# Altium PCB MB V2.PcbDoc (part 2 of 2)
Units mm, origin at the board's own origin, x right, y up, seen from the top; angles counter-clockwise.
Board outline 200.15 x 200.03 mm, 4 copper layers (Top Layer, Mid Top, Mid Bottom, Bottom Layer), stack 0.603 mm thick; 239 components, 224 nets, 929 pads, 0 vias.
Unrouted connection lines stored in the file: 612.
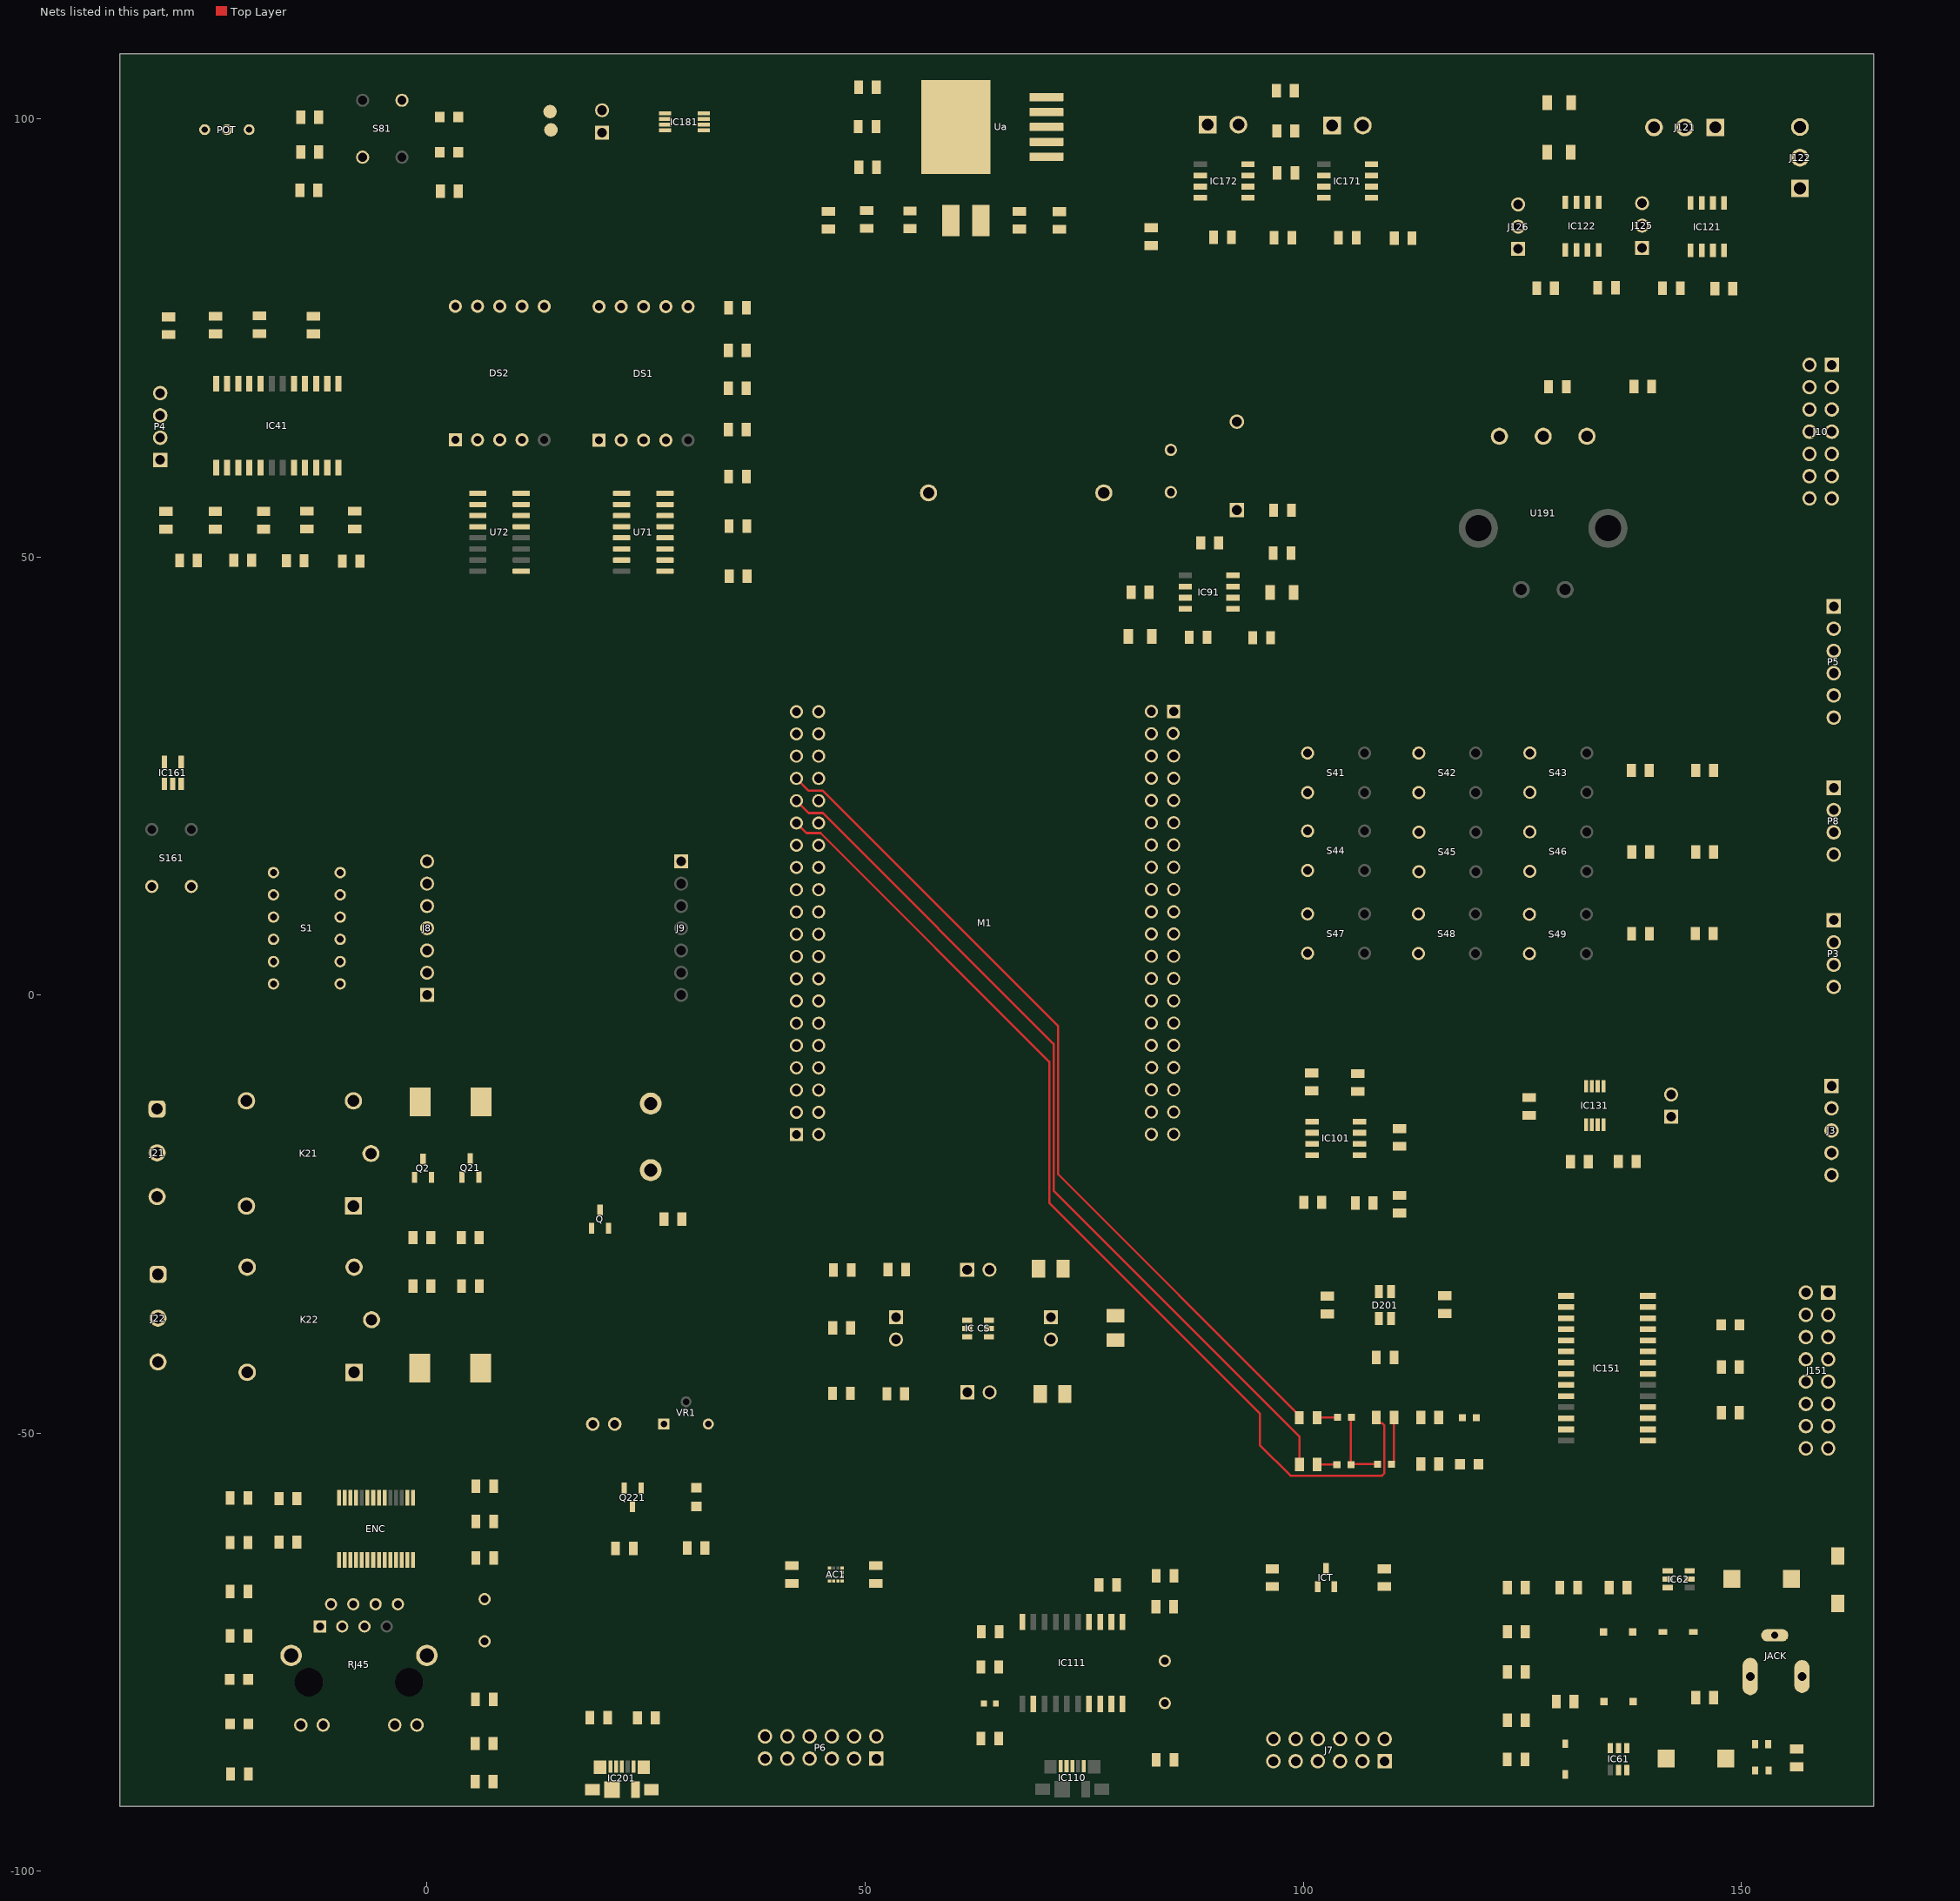
[diagram p2: the nets of this part, all layers, seen from the top]

## Part data
25MHz 32KHz Y111: library part "Mini Crystal", "9B-64.000MBBK-B", Freq. Stability="+/- 30 ppm", Frequency="4.096 MHz", Load Capacitance="18 pF", Manufacturer=Abracon, Operating Temp. Range="-40 to 85 degC", PartNumber=ABLS2-4.096MHZ-D4Y-T, Shunt Capacitance="7 pF Max.", ComponentLink1Description="Manufacturer URL", ComponentLink1URL=http://www.abracon.com/, ComponentLink2Description=Datasheet, ComponentLink2URL=http://www.abracon.com/Resonators/ABLS2.pdf, DatasheetVersion="Rev. 03.31.11", ESR="180 Ohm", Freq. Tolerance="+/- 30 ppm", Mounting Technology="Surface Mount", Operation Mode="Fundamental or 3rd Overtone", PackageDescription="2-Pin SMD, Body 11.4 x 4.7 mm, Height 3.3 mm", PackageReference=ABLS2-2, Packing="Tape and Reel", RoHS=TRUE
AC1: "Accelerometer", Manufacturer_Name=STMicroelectronics, Mouser Part Number=511-LIS2DE12TR, Arrow Part Number=LIS2DE12TR, Arrow Price/Stock=https://www.arrow.com/en/products/lis2de12tr/stmicroelectronics, Datasheet Link=https://www.mouser.co.uk/datasheet/2/389/dm00153214-1798409.pdf, Height=1mm, Manufacturer_Part_Number=LIS2DE12TR, Mouser Price/Stock=https://www.mouser.co.uk/ProductDetail/STMicroelectronics/LIS2DE12TR?qs=e%2Fel81Nv5iw4m6D8fXXMWA%3D%3D
B: library part Buzzer, "Buzzer 2.3khz 4-6vdc Pcb Wash", Package="Soberton Inc.", Availability=Unavailable, MF="Soberton Inc.", MP=WST-1205S, Price=None, SnapEDA_Link=https://www.snapeda.com/parts/WST-1205S/Soberton%20Inc./view-part/?ref=snap
BT1: "WA-BCPH Battery Holder, THT, battery type 2450", Manufacturer="Wurth Elektronik", Operating Temperature Max=105°C, Operating Temperature Min=-40°C, Battery Type=2450, Category="Battery Holders", ComponentLink1Description="Website Link", ComponentLink1URL=https://www.we-online.com/redexpert/article/79578211?ad, ComponentLink2Description="Datasheet Link", ComponentLink2URL=https://www.we-online.com/redexpert/spec/79578211?ad, Manufacturer Part Number=79578211, Match Code=WA-BCPH, Mount="Through Hole", Packaging=Bag
C41 C42 C43 C44 C45 C46 C47 C61 C62 C63 C64 C65 C66 C67 C68 C91 C92 C111 C112 C113 C114 C115 C116 C131 C132 C133 C141 C142 C143 C144 C145 C171 C172 C173 C174 C211 C212 C221 C222 C223 CA CA1 CA2 CA3 CA4 CA5 Ct Ct1: library part GCD21BR71H104KA01L, "CAP CER 0.1UF 50V X7R 0805", Digi-Key Part Number=490-11955-1-ND, Manufacturer="Murata Electronics North America", Operating Temperature="-55°C ~ 125°C", Package / Case="0805 (2012 Metric)", Ratings=AEC-Q200, Temperature Coefficient=X7R, Tolerance=±10%, Voltage=50V, @ qty=0, Applications=Automotive, Datasheets=http://www.murata.com/~/media/webrenewal/support/library/catalog/products/capacitor/mlcc/c03e.ashx, Factory Stock=0, Features=-, Height - Seated (Max)=-, Image=//media.digikey.com/Renders/Murata%20Renders/0805%28GxM6%29.jpg, Lead Spacing=-, Lead Style=-, Minimum Quantity=1, Mounting Type="Surface Mount, MLCC", Packaging="Cut Tape (CT)", Part Number=GCD21BR71H104KA01L, Part Status=Active, Quantity Available=157, Series=GCD, Size / Dimension="0.079\" L x 0.049\" W (2.00mm x 1.25mm)", Thickness (Max)="0.049\" (1.25mm)", Unit Price (USD)=0.24
C94 SuperCap: "Capacitor (Semiconductor SIM Model)", LatestRevisionDate=29-May-2009, LatestRevisionNote="IPC-7351 Footprint Added.", PackageDescription="Chip Capacitor", PackageReference=C1206, Published=8-Jun-2000, Publisher="Altium Limited"
  SuperCap: C93=1.5F
C121 C122: library part "Cap Semi", "Capacitor (Semiconductor SIM Model)", Part Number=C0603C100M5HACTU, LatestRevisionDate=29-May-2009, LatestRevisionNote="IPC-7351 Footprint Added.", PackageDescription="Chip Capacitor", PackageReference=C1206, Published=8-Jun-2000, Publisher="Altium Limited", Source=Mouser
D1 D71 D72 D131 D132 D141: "WL-SMCW SMD Mono-color Chip LED Waterclear, size 0805, Blue", Emitting Color=Blue, Forward Voltage="3.2 V", ComponentLink1Description=Manufacturer, ComponentLink1URL=http://www.we-online.de, ComponentLink2Description=Datasheet, ComponentLink2URL=http://katalog.we-online.de/led/datasheet/150080BS75000.pdf, Part Number=150080BS75000, Peak Wavelength="465 nm", Published Date="Jan 2017", Publisher="Wurth Elektronik", Size=0805, Viewing Angle=140°
D21 D22: "Default Diode", Code_JEDEC=DO-214-AB, LatestRevisionDate=17-Jul-2002, LatestRevisionNote="Re-released for DXP Platform.", PackageDescription="DO-214-AB/SMC; 2 C-Bend Leads; Body 7.9 x 5.9 mm, inc. leads (LxW)", PackageReference=SMC, PackageVersion=Sep-1996, Published=8-Jun-2000, Publisher="Altium Limited"
D61 D62: "Diode", Manufacturer_Name=Vishay, Mouser Part Number=625-1N4148W-V, Arrow Part Number=1N4148W-V-GS08, Arrow Price/Stock=https://www.arrow.com/en/products/1n4148w-v-gs08/vishay, Datasheet Link=https://us.rs-online.com/m/d/a2789c8794cb0c42ced29f2dd8571f3c.pdf, Height=1.35mm, Manufacturer_Part_Number=1N4148W-V-GS08, Mouser Price/Stock=https://www.mouser.co.uk/ProductDetail/Vishay-Semiconductors/1N4148W-V-GS08?qs=TNTIDjy6APrS%2Fdgq1RSs3A%3D%3D
D91: library part 1N4007
D201: library part 150141M173100, "WL-SFTW Full-color TOP LED Waterclear, size 3528, Red & Green & Blue, 120°", Case/Size Code=3528, Emitting Color="Red & Green & Blue", Forward Voltage (Blue)=3.2V, Forward Voltage (Red)=2V, Manufacturer="Wurth Elektronik", Operating Temperature Max=85°C, Operating Temperature Min=-40°C, Category="Signal LEDs", Chip Technology="AlInGaP + InGaN", ComponentLink1Description="Website Link", ComponentLink1URL=https://www.we-online.com/redexpert/article/150141M173100?ad, ComponentLink2Description="Datasheet Link", ComponentLink2URL=https://www.we-online.com/redexpert/spec/150141M173100?ad, Dominant Wavelength (Blue)=470nm, Dominant Wavelength (Green)=520nm, Dominant Wavelength (Red)=625nm, Forward Voltage (Green)=3.2V, Height=1.9mm, Length=3.5mm, Luminous Intensity (Blue)=230mcd, Luminous Intensity (Green)=950mcd, Luminous Intensity (Red)=270mcd, Manufacturer Part Number=150141M173100, Match Code=WL-SFTW, Mount="Surface Mount", Packaging="Tape and Reel", Peak Wavelength (Blue)=465nm, Peak Wavelength (Green)=515nm, Peak Wavelength (Red)=635nm, Viewing Angle=120°, Width=2.8mm
DG1: "WL-SMCW SMD Mono-color Chip LED Waterclear, size 0805, Bright Green", Emitting Color="Bright Green", Forward Voltage="2 V", ComponentLink1Description=Manufacturer, ComponentLink1URL=http://www.we-online.de, ComponentLink2Description=Datasheet, ComponentLink2URL=http://katalog.we-online.de/led/datasheet/150080VS75000.pdf, Part Number=150080VS75000, Peak Wavelength="572 nm", Published Date="Jan 2017", Publisher="Wurth Elektronik", Size=0805, Viewing Angle=140°
DG2: "WL-SMCW SMD Mono-color Chip LED Waterclear, size 0603, Green", Emitting Color=Green, Forward Voltage="3.2 V", ComponentLink1Description=Manufacturer, ComponentLink1URL=http://www.we-online.de, ComponentLink2Description=Datasheet, ComponentLink2URL=http://katalog.we-online.de/led/datasheet/150060GS75000.pdf, Part Number=150060GS75000, Peak Wavelength="515 nm", Published Date="Jan 2017", Publisher="Wurth Elektronik", Size=0603, Viewing Angle=140°
DG3: "WL-SMCW SMD Mono-color Chip LED Waterclear, size 0603, Yellow", Emitting Color=Yellow, Forward Voltage="2 V", ComponentLink1Description=Manufacturer, ComponentLink1URL=http://www.we-online.de, ComponentLink2Description=Datasheet, ComponentLink2URL=http://katalog.we-online.de/led/datasheet/150060YS75000.pdf, Part Number=150060YS75000, Peak Wavelength="595 nm", Published Date="Jan 2017", Publisher="Wurth Elektronik", Size=0603, Viewing Angle=140°
DG4: "WL-SMCW SMD Mono-color Chip LED Waterclear, size 0603, Blue", Emitting Color=Blue, Forward Voltage="3.2 V", ComponentLink1Description=Manufacturer, ComponentLink1URL=http://www.we-online.de, ComponentLink2Description=Datasheet, ComponentLink2URL=http://katalog.we-online.de/led/datasheet/150060BS75000.pdf, Part Number=150060BS75000, Peak Wavelength="465 nm", Published Date="Jan 2017", Publisher="Wurth Elektronik", Size=0603, Viewing Angle=140°
DG5: "WL-SMCW SMD Mono-color Chip LED Waterclear, size 0603, Red", Emitting Color=Red, Forward Voltage="2 V", ComponentLink1Description=Manufacturer, ComponentLink1URL=http://www.we-online.de, ComponentLink2Description=Datasheet, ComponentLink2URL=http://katalog.we-online.de/led/datasheet/150060RS75000.pdf, Part Number=150060RS75000, Peak Wavelength="630 nm", Published Date="Jan 2017", Publisher="Wurth Elektronik", Size=0603, Viewing Angle=140°
DS1 DS2: "14.2 mm General Purpose Blue 7-Segment Display: CC, RH DP, Gray Surface", Colour=Blue, ComponentLink1Description="Manufacturer Link", ComponentLink1URL=http://www.agilent.com/, DatasheetVersion=24-Sep-2002, LatestRevisionDate=17-Dec-2003, LatestRevisionNote="Schematic revised, PCB Footprint replaced.", MinimumIntensity="2020 ucd", Note="IF = 10 mA", PackageDescription="LED, 7-Segment Display, 14.2 mm, RHD; 10 Leads; Row Space 15.24 mm; Pitch 2.54 mm", PackageReference=H, PackageVersion=24-Sep-2002, Published=8-Jun-2000, Publisher="Altium Limited"
ENC: "Integrated Circuit", Arrow Part Number=ENC28J60T-I/SS, Manufacturer_Name=Microchip, Mouser Part Number=579-ENC28J60T-I/SS, Arrow Price/Stock=https://www.arrow.com/en/products/enc28j60t-iss/microchip-technology?region=nac, Datasheet Link=https://mouser.componentsearchengine.com/Datasheets/2/ENC28J60T-I_SS.pdf, Height=2mm, Manufacturer_Part_Number=ENC28J60T-I/SS, Mouser Price/Stock=https://www.mouser.co.uk/ProductDetail/Microchip-Technology/ENC28J60T-I-SS?qs=0swJU7D5CoWRYqX2omYpJQ%3D%3D
FB111: "Ferrite Bead", Manufacturer_Name="Murata Electronics", Mouser Part Number=81-BLM18SG121TN1D, Arrow Part Number=BLM18SG121TN1D, Arrow Price/Stock=https://www.arrow.com/en/products/blm18sg121tn1d/murata-manufacturing?region=nac, Datasheet Link=http://www.murata.com/~/media/webrenewal/support/library/catalog/products/emc/emifil/c31e.ashx?la=en-gb, Height=0.75mm, Manufacturer_Part_Number=BLM18SG121TN1D, Mouser Price/Stock=https://www.mouser.co.uk/ProductDetail/Murata-Electronics/BLM18SG121TN1D?qs=OMB6gcCnelWdy%252B7xRA0fBw%3D%3D
IC41: library part MTS2916A-HGC1, "Integrated Circuit", Manufacturer_Name=Microchip, Mouser Part Number=579-MTS2916A-HGC1, Arrow Part Number=MTS2916A-HGC1, Arrow Price/Stock=https://www.arrow.com/en/products/mts2916a-hgc1/microchip-technology?region=nac, Datasheet Link=http://ww1.microchip.com/downloads/en/DeviceDoc/22259C.pdf, Height=2.642mm, Manufacturer_Part_Number=MTS2916A-HGC1, Mouser Price/Stock=https://www.mouser.co.uk/ProductDetail/Microchip-Technology/MTS2916A-HGC1?qs=gdymDg%2FOn%252BFGBMeCto2zTQ%3D%3D
IC61 IC62: "Integrated Circuit", Arrow Part Number=MCP16331T-E/CH, Manufacturer_Name=Microchip, Mouser Part Number=579-MCP16331T-E/CH, Arrow Price/Stock=https://www.arrow.com/en/products/mcp16331t-ech/microchip-technology?region=nac, Datasheet Link=http://ww1.microchip.com/downloads/en/DeviceDoc/20005308C.pdf, Height=1.45mm, Manufacturer_Part_Number=MCP16331T-E/CH, Mouser Price/Stock=https://www.mouser.co.uk/ProductDetail/Microchip-Technology/MCP16331T-E-CH?qs=rQCxX1QmdjIpfF%2FjMAUv9A%3D%3D
IC91: "Integrated Circuit", Arrow Part Number=MCP79402-I/SN, Manufacturer_Name=Microchip, Mouser Part Number=579-MCP79402ISN, Arrow Price/Stock=https://www.arrow.com/en/products/mcp79402-isn/microchip-technology, Datasheet Link=https://componentsearchengine.com/Datasheets/2/MCP79402-I_SN.pdf, Height=1.75mm, Manufacturer_Part_Number=MCP79402-I/SN, Mouser Price/Stock=https://www.mouser.co.uk/ProductDetail/Microchip-Technology-Atmel/MCP79402-I-SN?qs=ggQiQSXuoRVK%2FFI6ElTaZQ%3D%3D
IC101: "Integrated Circuit", Manufacturer_Name=Microchip, Mouser Part Number=804-25VF512A3CSAE, Arrow Part Number=SST25VF512A-33-4C-SAE, Arrow Price/Stock=https://www.arrow.com/en/products/sst25vf512a-33-4c-sae/microchip-technology?region=nac, Datasheet Link=http://ww1.microchip.com/downloads/en/DeviceDoc/25090A.pdf, Height=1.75mm, Manufacturer_Part_Number=SST25VF512A-33-4C-SAE, Mouser Price/Stock=https://www.mouser.co.uk/ProductDetail/Microchip-Technology/SST25VF512A-33-4C-SAE?qs=sPPKN8MmjErx4W822Eh6pg%3D%3D
IC110 IC201: library part 0473461001, "Connector", Manufacturer_Name=Molex, Mouser Part Number=N/A, Arrow Part Number=0473461001, Arrow Price/Stock=https://www.arrow.com/en/products/0473461001/molex?region=nac, Datasheet Link=https://componentsearchengine.com/Datasheets/1/0473461001.pdf, Height=2.45mm, Manufacturer_Part_Number=0473461001, Mouser Price/Stock=https://www.mouser.co.uk/ProductDetail/Molex/0473461001?qs=2bnkQPT%252BPafTZgGVt%2FOGfA%3D%3D
IC111: "Integrated Circuit", Arrow Part Number=MCP2200-I/SO, Manufacturer_Name=Microchip, Mouser Part Number=579-MCP2200-I/SO, Arrow Price/Stock=https://www.arrow.com/en/products/mcp2200-iso/microchip-technology?region=nac, Datasheet Link=https://datasheet.datasheetarchive.com/originals/distributors/Datasheets-DGA2/214544.pdf, Height=2.65mm, Manufacturer_Part_Number=MCP2200-I/SO, Mouser Price/Stock=https://www.mouser.co.uk/ProductDetail/Microchip-Technology-Atmel/MCP2200-I-SO?qs=kI7nsUnms46fN8L9VZlJCA%3D%3D
IC121 IC122: "Integrated Circuit", Manufacturer_Name="Texas Instruments", Mouser Part Number=595-THVD1450D, Arrow Part Number=THVD1450D, Arrow Price/Stock=https://www.arrow.com/en/products/thvd1450d/texas-instruments?region=nac, Datasheet Link=http://www.ti.com/lit/gpn/THVD1450, Height=1.75mm, Manufacturer_Part_Number=THVD1450D, Mouser Price/Stock=https://www.mouser.co.uk/ProductDetail/Texas-Instruments/THVD1450D?qs=chTDxNqvsylemUKR9F4kpw%3D%3D
IC131: "Integrated Circuit", Arrow Part Number=MCP4822-E/MS, Manufacturer_Name=Microchip, Mouser Part Number=579-MCP4822-E/MS, Arrow Price/Stock=https://www.arrow.com/en/products/mcp4822-ems/microchip-technology?region=europe, Datasheet Link=https://datasheet.datasheetarchive.com/originals/distributors/Datasheets-DGA17/911642.pdf, Height=1.1mm, Manufacturer_Part_Number=MCP4822-E/MS, Mouser Price/Stock=https://www.mouser.co.uk/ProductDetail/Microchip-Technology/MCP4822-E-MS?qs=usxtMOJb1Rzc5xsp0Zr6iQ%3D%3D
IC151: "Integrated Circuit", Arrow Part Number=MCP23017T-E/SO, Manufacturer_Name=Microchip, Mouser Part Number=579-MCP23017T-E/SO, Arrow Price/Stock=https://www.arrow.com/en/products/mcp23017t-eso/microchip-technology?region=nac, Datasheet Link=http://ww1.microchip.com/downloads/en/DeviceDoc/20001952C.pdf, Height=2.65mm, Manufacturer_Part_Number=MCP23017T-E/SO, Mouser Price/Stock=https://www.mouser.co.uk/ProductDetail/Microchip-Technology/MCP23017T-E-SO?qs=usxtMOJb1RylPfT%252BJtgE3Q%3D%3D
IC161: "Integrated Circuit", Arrow Part Number=MCP1320T-25LE/OT, Manufacturer_Name=Microchip, Mouser Part Number=579-MCP1320T-25LE/OT, Arrow Price/Stock=https://www.arrow.com/en/products/mcp1320t-25leot/microchip-technology?region=nac, Datasheet Link=https://www.arrow.com/en/products/mcp1320t-25leot/microchip-technology, Height=1.45mm, Manufacturer_Part_Number=MCP1320T-25LE/OT, Mouser Price/Stock=https://www.mouser.co.uk/ProductDetail/Microchip-Technology-Atmel/MCP1320T-25LE-OT?qs=Cv1v43EOJpq3RWxPEZurKg%3D%3D
IC171 IC172: "Integrated Circuit", Arrow Part Number=MCP2551-E/SN, Manufacturer_Name=Microchip, Mouser Part Number=579-MCP2551-E/SN, Arrow Price/Stock=https://www.arrow.com/en/products/mcp2551-esn/microchip-technology, Datasheet Link=https://datasheet.datasheetarchive.com/originals/distributors/SFDatasheet-4/sf-00090061.pdf, Height=1.75mm, Manufacturer_Part_Number=MCP2551-E/SN, Mouser Price/Stock=https://www.mouser.co.uk/ProductDetail/Microchip-Technology/MCP2551-E-SN?qs=Vn0zuzr35GHkGDCgnw0F9A%3D%3D
IC181: "Integrated Circuit", Arrow Part Number=MCP4531-103E/MS, Manufacturer_Name=Microchip, Mouser Part Number=579-MCP4531-103E/MS, Arrow Price/Stock=https://www.arrow.com/en/products/mcp4531-103ems/microchip-technology, Datasheet Link=http://ww1.microchip.com/downloads/en/DeviceDoc/22096b.pdf, Height=1.1mm, Manufacturer_Part_Number=MCP4531-103E/MS, Mouser Price/Stock=https://www.mouser.co.uk/ProductDetail/Microchip-Technology/MCP4531-103E-MS/?qs=hH%252BOa0VZEiCnxdBK%2FqmQ8g%3D%3D
"IC CS": "Integrated Circuit", Arrow Part Number=MCP6C02T-020E/CHY, Manufacturer_Name=Microchip, Mouser Part Number=579-MCP6C02T020ECHY, Arrow Price/Stock=https://www.arrow.com/en/products/mcp6c02t-020echy/microchip-technology?region=nac, Datasheet Link=https://www.arrow.com/en/products/mcp6c02t-020echy/microchip-technology, Height=1.45mm, Manufacturer_Part_Number=MCP6C02T-020E/CHY, Mouser Price/Stock=https://www.mouser.co.uk/ProductDetail/Microchip-Technology/MCP6C02T-020E-CHY?qs=PqoDHHvF64%2FP1agGSWWLsQ%3D%3D
ICT: "Integrated Circuit", Arrow Part Number=MCP9700T-E/TT, Manufacturer_Name=Microchip, Mouser Part Number=579-MCP9700T-E/TT, Arrow Price/Stock=https://www.arrow.com/en/products/mcp9700t-ett/microchip-technology?region=nac, Datasheet Link=https://datasheet.datasheetarchive.com/originals/distributors/Datasheets-DGA2/179941.pdf, Height=1.12mm, Manufacturer_Part_Number=MCP9700T-E/TT, Mouser Price/Stock=https://www.mouser.co.uk/ProductDetail/Microchip-Technology/MCP9700T-E-TT?qs=QVBMgXxBiLyzQ04uBGj3mg%3D%3D
J1 J2 J4 J23 J131 J181: "WR-PHD Pin Header, THT, pitch 2.54mm, Single Row, Vertical, 2pin", Contact Resistance=20mOhm, Operating Temperature="-40 to +105degC", Rated Current=3A, Withstanding Voltage=500VAC, Working Voltage=250VAC, ComponentLink1Description=Manufacturer, ComponentLink1URL=http://www.we-online.de, ComponentLink2Description=Datasheet, ComponentLink2URL=https://katalog.we-online.de/em/datasheet/6130xx11121.pdf, Gender=Male, Mounting Technology=THT, Orientation=Vertical, Packaging=Bag, Part Number=61300211121, Pin Number=2, Pitch=2.54mm, Published Date="June 2019", Publisher="Wurth Elektronik", Row Number=Single
J3: "WR-PHD Pin Header, THT, pitch 2.54mm, Single Row, Angled, 5pin", Contact Resistance=20mOhm, Operating Temperature="-40 to +105degC", Rated Current=3A, Withstanding Voltage=500VAC, Working Voltage=250VAC, ComponentLink1Description=Manufacturer, ComponentLink1URL=http://www.we-online.de, ComponentLink2Description=Datasheet, ComponentLink2URL=https://katalog.we-online.de/em/datasheet/6130xx11021.pdf, Gender=Male, Mounting Technology=THT, Orientation=Angled, Packaging=Bag, Part Number=61300511021, Pin Number=5, Pitch=2.54mm, Published Date="June 2019", Publisher="Wurth Elektronik", Row Number=Single
J7 P6: "WR-PHD Pin Header, THT, pitch 2.54mm, Dual Row, Angled, 12pin", Contact Resistance=20mOhm, Operating Temperature="-40 to +105degC", Rated Current=3A, Withstanding Voltage=500VAC, Working Voltage=250VAC, ComponentLink1Description=Manufacturer, ComponentLink1URL=http://www.we-online.de, ComponentLink2Description=Datasheet, ComponentLink2URL=https://katalog.we-online.de/em/datasheet/6130xx21021.pdf, Gender=Male, Mounting Technology=THT, Orientation=Angled, Packaging=Bag, Part Number=61301221021, Pin Number=12, Pitch=2.54mm, Published Date="June 2019", Publisher="Wurth Elektronik", Row Number=Dual
J8 J9: "WR-PHD Pin Header, THT, pitch 2.54mm, Single Row, Vertical, 7pin", Contact Resistance=20mOhm, Operating Temperature="-40 to +105degC", Rated Current=3A, Withstanding Voltage=500VAC, Working Voltage=250VAC, ComponentLink1Description=Manufacturer, ComponentLink1URL=http://www.we-online.de, ComponentLink2Description=Datasheet, ComponentLink2URL=https://katalog.we-online.de/em/datasheet/6130xx11121.pdf, Gender=Male, Mounting Technology=THT, Orientation=Vertical, Packaging=Bag, Part Number=61300711121, Pin Number=7, Pitch=2.54mm, Published Date="June 2019", Publisher="Wurth Elektronik", Row Number=Single
J10: "WR-PHD Pin Header, THT, pitch 2.54mm, Dual Row, Angled, 14pin", Contact Resistance=20mOhm, Operating Temperature="-40 to +105degC", Rated Current=3A, Withstanding Voltage=500VAC, Working Voltage=250VAC, ComponentLink1Description=Manufacturer, ComponentLink1URL=http://www.we-online.de, ComponentLink2Description=Datasheet, ComponentLink2URL=https://katalog.we-online.de/em/datasheet/6130xx21021.pdf, Gender=Male, Mounting Technology=THT, Orientation=Angled, Packaging=Bag, Part Number=61301421021, Pin Number=14, Pitch=2.54mm, Published Date="June 2019", Publisher="Wurth Elektronik", Row Number=Dual
J21 J22: "WR-TBL Series 101 Horizontal Entry Modular, THT, pitch 5mm, 3p", Manufacturer="Wurth Elektronik", Operating Temperature Max=105°C, Operating Temperature Min=-40°C, Rated Current=16A, Working Voltage=250V, Application="Pressure Clamp", Category="Terminal Blocks", ComponentLink1Description="Website Link", ComponentLink1URL=https://www.we-online.com/redexpert/article/691101710003?ad, ComponentLink2Description="Datasheet Link", ComponentLink2URL=https://www.we-online.com/redexpert/spec/691101710003?ad, Manufacturer Part Number=691101710003, Match Code=WR-TBL, Modularity=Yes, Mount="Through Hole", Number of Pins=3, Number of Rows=1, Orientation=Horizontal, Packaging=Box, Pitch=5mm
J121 J122: "Connector", Manufacturer_Name="TE Connectivity", Mouser Part Number=571-284512-3, Arrow Part Number=284512-3, Arrow Price/Stock=https://www.arrow.com/en/products/284512-3/te-connectivity?region=nac, Datasheet Link=https://www.te.com/commerce/DocumentDelivery/DDEController?Action=showdoc&DocId=Customer+Drawing%7F284512%7FE4%7Fpdf%7FEnglish%7FENG_CD_284512_E4.pdf%7F284512-3, Height=7.45mm, Manufacturer_Part_Number=284512-3, Mouser Price/Stock=https://www.mouser.co.uk/ProductDetail/TE-Connectivity/284512-3?qs=woBvfblj%2Fzwah7g8QvojCQ%3D%3D